# Altium PCB K60最小系统.PcbDoc (part 2 of 2) (continued)
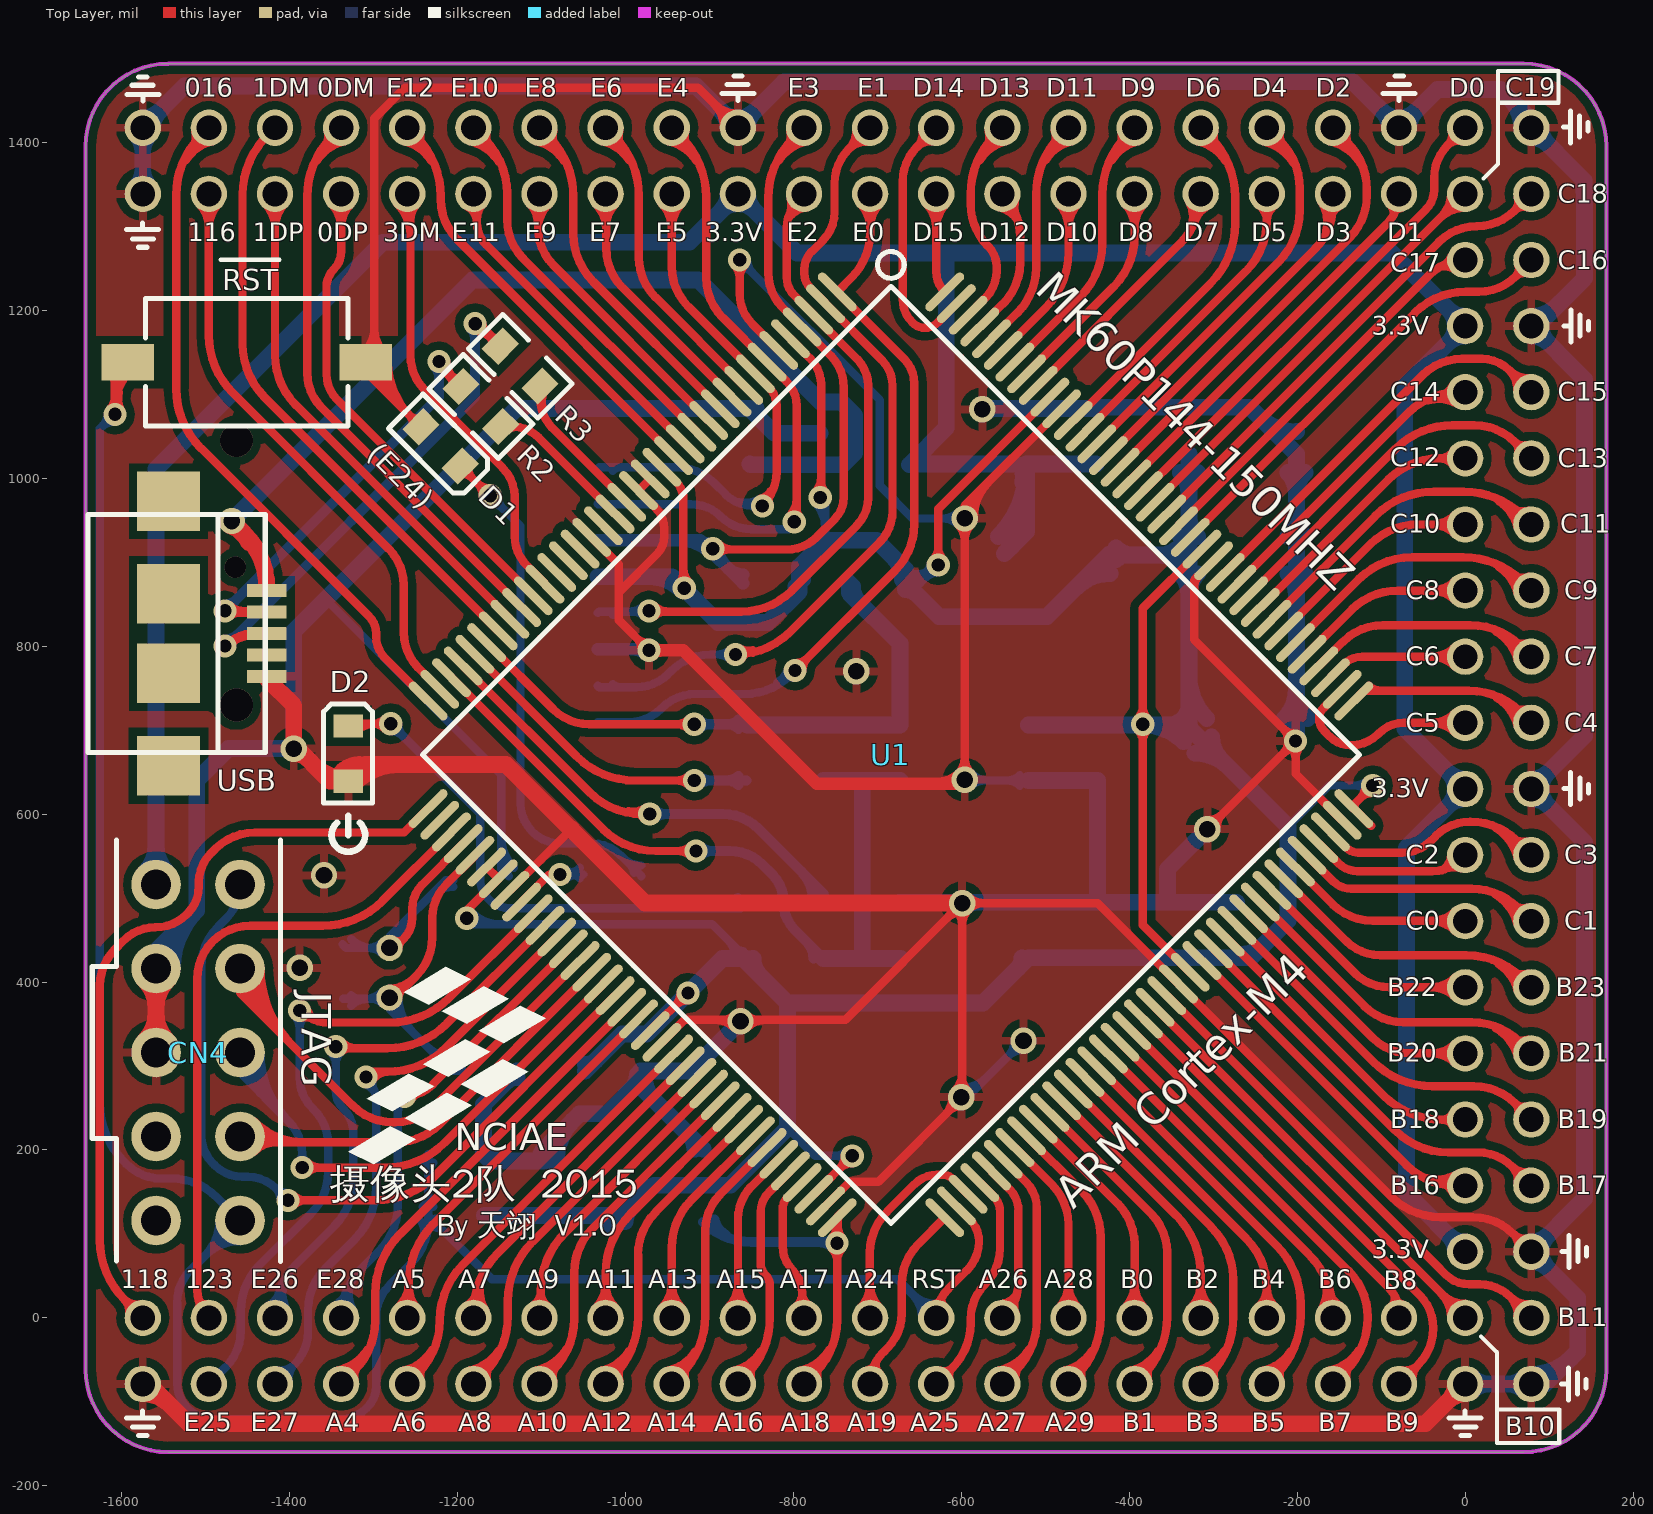
[diagram p0: Top Layer view]
## Nets (pads, with @x,y where several pads share a name; then routed paths per layer and width w, separated by ;. In a path a pad name is that pad's centre, name@x,y a point inside that pad or via, vN(x,y) a via of type N, cw(c..) or ccw(c..) an arc to the next point about the centre after c; other vN are vias at no path point) (continued)
  Top Layer w10: U1.142@-591.93,1193.95 -571.52,1214.37 ccw(c-604.15,1247) -558,1247 -558,1251.86 ccw(c-592.14,1251.86) -568,1276 cw(c-517.3,1326.7) -589,1326.7 -589,1338.08 cw(c-489,1338.08) -559.71,1408.79 CN2.27@-551.18,1417.32 ; -578.11,1378.61 cw(c-535.49,1352.63) CN2.27@-547.25,1401.14 ; -570.96,1390.33 ccw(c-597,1406.21) CN2.27@-567.36,1413.4 ; -565.54,1399.22 cw(c-543.54,1385.81) CN2.27@-549.61,1410.86
PTD14: CN2.25 U1.143 | length 358.6
  Top Layer w10: -658.09,1185.09 ccw(c-643.36,1199.85) -643.36,1179 ccw(c-643.36,1199.85) -628.63,1185.09 ; -658.12,1185.12 cw(c-629.4,1213.82) -670,1213.82 -670,1353 cw(c-611.47,1353) -652.87,1394.38 ; CN2.25@-646.35,1414.62 cw(c-669.31,1410.83) -652.86,1394.39 ; CN2.25@-632.63,1400.89 ccw(c-636.41,1377.94) -652.86,1394.39 ; CN2.25@-629.92,1417.32 -652.86,1394.38 ; -628.62,1185.11 U1.143@-605.85,1207.87
PTD15: CN2.26 U1.144 | length 182.7
  Top Layer w10: CN2.26@-641.7,1326.81 cw(c-670.13,1298.38) -629.92,1298.38 cw(c-589.72,1298.38) CN2.26@-618.15,1326.81 ; CN2.26@-629.92,1338.58 -629.92,1246.29 ccw(c-595.27,1246.29) U1.144@-619.77,1221.79
PTE0: "Micro SD.8" CN2.24 U1.1 | length 1054.4
  Top Layer w10: v1(-798,771) -678.63,890.37 ccw(c-733.25,945) -656,945 -656,1112.99 ccw(c-696.97,1112.99) -667.99,1141.95 ; v1@-798,779.78 ccw(c-798,800.98) -783.01,785.99 ccw(c-768.02,771) v1@-789.22,771 ; CN2.24@-720.44,1326.81 cw(c-748.87,1298.38) -708.66,1298.38 cw(c-668.46,1298.38) CN2.24@-696.89,1326.81 ; CN2.24@-708.66,1338.58 -708.66,1292.29 cw(c-784.29,1292.29) -730.79,1238.83 U1.1@-747.83,1221.79 -668,1141.96
  Bottom Layer w10: -1033,709.46 -996,709.46 ccw(c-996,763.7) -957.65,725.35 -956.77,726.23 cw(c-916.29,685.75) -916.29,743 -858,743 ccw(c-858,820.25) -803.37,765.63 v1(-798,771) ; -819.48,756.33 ccw(c-833.44,780.5) v1@-806.48,773.27 ; -811.26,761.07 cw(c-804.02,748.53) v1@-800.27,762.52
PTE1: "Micro SD.7" CN2.23 U1.2 | length 1093.4
  Top Layer w10: v1(-869,790) ccw(c-869,881.74) -804.13,816.87 -697,924 ; v1@-864.45,797.51 ccw(c-853.48,815.64) -848.42,795.06 ccw(c-843.36,774.48) v1@-861.49,785.45 ; -778.53,1269.47 ccw(c-758.03,1249) -787,1249 -787,1243.54 ccw(c-763.1,1243.54) -780,1226.64 -761.75,1208.39 U1.2@-761.75,1207.87 -694.88,1141 cw(c-725.97,1109.91) -682,1109.91 -682,960.21 cw(c-733.21,960.21) -696.99,924.01 ; -778.51,1269.49 -765,1283 ccw(c-798.8,1316.8) -751,1316.8 -751,1351 cw(c-693.1,1351) -734.04,1391.94 ; CN2.23@-725.26,1415.93 cw(c-755.5,1413.4) -734.04,1391.94 ; CN2.23@-710.05,1400.73 ccw(c-712.58,1370.48) -734.04,1391.94 ; CN2.23@-708.66,1417.32 -734.04,1391.94
  Bottom Layer w10: -1033,752.77 -1031.23,751 -987,751 ccw(c-987,804.11) -949.45,766.55 -945.5,770.5 cw(c-898.42,723.42) -898.42,790 v1(-869,790) ; -1015.22,754.8 ccw(c-1006.04,763.99) -1006.04,751 ; v1@-875.21,783.79 ccw(c-890.2,768.8) -890.2,790 ccw(c-890.2,811.2) v1@-875.21,796.21
PTE2: "Micro SD.5" CN2.22 U1.3 | length 918.6
  Top Layer w10: v1@-971,841 -862.36,841 ccw(c-862.36,926.36) -802.04,865.96 ccw(c-862.36,926.36) -802,866 -725,943 ccw(c-758.8,976.8) -711,976.8 -711,1110.03 ccw(c-756.21,1110.03) -724.24,1142 -775.67,1193.43 U1.3@-775.67,1193.95 -775.67,1194.48 -799.19,1218 ; v1@-965.79,835.79 cw(c-953.22,823.22) -953.22,841 ; v1@-965.79,848.21 ccw(c-948.39,865.61) -948.39,841 ; -807.07,1307.89 cw(c-782.25,1293.56) CN2.22@-785.51,1322.04 ; -806.93,1308.15 ccw(c-836.74,1325.36) CN2.22@-803.49,1334.27 ; -799.22,1218.02 cw(c-777.94,1239.26) -808,1239.26 -808,1298 cw(c-766.52,1298) -795.85,1327.33 CN2.22@-786,1337.18
  Bottom Layer w10: -1033,839.39 -1031.39,841 v1@-972,841 ; -1015.22,837.35 cw(c-1006.42,828.55) -1006.42,841 ; -995.61,841 ccw(c-995.61,865.61) v1@-978.21,848.21 ; -990.78,841 cw(c-990.78,823.22) v1@-978.21,835.79
  other v1: -972,842
PTE3: "Micro SD.3" CN2.21 R7.1 U1.4 | length 1080.7
  Top Layer w10: v1@-896,915 -808,915 ccw(c-808,965.7) -772.17,929.83 -750.61,951.39 ccw(c-776.21,977) -740,977 -740,1108.13 ccw(c-793.87,1108.13) -755.76,1146.21 ; v1@-889.79,909.79 cw(c-877.22,897.22) -877.22,915 ; v1@-889.79,922.21 ccw(c-872.39,939.61) -872.39,915 ; -817.73,1377.93 cw(c-772.96,1348.73) CN2.21@-783.97,1401.03 ; -813.03,1203.47 cw(c-771.96,1244.48) -830,1244.48 -830,1333.3 cw(c-730,1333.3) -800.71,1404.01 CN2.21@-787.4,1417.32 ; -813,1203.44 U1.4@-789.59,1180.03 -755.78,1146.22 ; -807.5,1393.6 ccw(c-830.09,1408.34) CN2.21@-803.7,1413.89 ; -804.54,1398.15 cw(c-780,1382.14) CN2.21@-786.03,1410.81
  Bottom Layer w15: -1033,926 -911,926 ; -935.3,926 cw(c-935.3,876.7) v1@-900.44,911.56 ; v1@-897.42,922.12 cw(c-900.71,936.29) -911,926 ; v1@-889.72,916 ccw(c-862.49,916) -881.74,896.74 ; -877.44,892.44 ccw(c-860,909.88) R7.1@-860,885.22 ; R7.1@-860,875 -911,926
  other v1: -896,916
PTE4: "Micro SD.2" CN2.17 U1.7 | length 888.7
  Top Layer w10: CN2.17@-948.49,1401.06 cw(c-959.84,1349.97) -915.69,1378.07 ; CN2.17@-946.32,1410.83 cw(c-952.44,1383.3) -928.65,1398.44 ; CN2.17@-944.88,1417.32 -933.29,1405.73 cw(c-1004,1335.02) -904,1335.02 -904,1239.11 ccw(c-835.97,1239.11) -884.08,1191.01 ; CN2.17@-928.62,1413.71 ccw(c-901.22,1407.62) -924.9,1392.55 ; -884.07,1191 U1.7@-831.35,1138.27 -807.97,1114.89 cw(c-836.86,1086) -796,1086 v1@-796,949 ; v1@-805.21,954.21 ccw(c-827.44,976.44) -796,976.44 ; -796,961.95 ccw(c-785.05,961.95) v1@-792.79,954.21
  Bottom Layer w10: -1033,969.31 -1032.69,969 -922.06,969 cw(c-922.06,918.16) -886.11,954.11 ccw(c-850.16,990.06) -850.16,939.22 -805.78,939.22 v1@-796,949
  other v1: -799,948
PTE5: "Micro SD.1" CN2.18 U1.8 | length 775.2
  Top Layer w10: CN2.18@-956.66,1326.81 cw(c-985.09,1298.38) -944.88,1298.38 cw(c-904.68,1298.38) CN2.18@-933.11,1326.81 ; CN2.18@-944.88,1338.58 -944.88,1252 ccw(c-877.21,1252) -925.06,1204.15 U1.8@-845.27,1124.35 -829.25,1108.34 cw(c-851.6,1086) -826.11,1104.67 cw(c-851.6,1086) -820,1086 -820,1008.04 cw(c-878.04,1008.04) v1(-837,967) ; v1@-839.28,975.48 ccw(c-844.79,995.98) -826.39,985.38 ; v1@-828.52,969.28 cw(c-808.08,974.77) -826.42,985.34
  Bottom Layer w10: -1033,1011 -1031,1013 -940,1013 cw(c-940,947.82) -893.93,993.93 ; -1015.22,1008.97 cw(c-1005.49,999.23) -1005.49,1013 ; -893.91,993.91 -880.45,980.45 ccw(c-847.97,1012.94) -847.97,967 v1(-837,967) ; -864.83,971.52 ccw(c-856.84,1001.36) v1@-841.39,974.6 ; -851.59,967.97 cw(c-854.56,956.86) v1@-844.6,962.61
PTE6: CN2.15 U1.9 | length 452.4
  Top Layer w10: CN2.15@-1027.36,1401.09 cw(c-1038.92,1350.99) -995.32,1378.25 ; CN2.15@-1025.12,1410.84 cw(c-1031.24,1384.26) -1008.12,1398.72 ; CN2.15@-1023.62,1417.32 -1013.29,1406.99 cw(c-1084,1336.28) -984,1336.28 -984,1263 ccw(c-917,1263) -964.38,1215.63 U1.9@-859.19,1110.44 ; CN2.15@-1007.39,1413.58 ccw(c-979.14,1407.07) -1003.72,1391.69
PTE7: CN2.16 U1.10 | length 363.8
  Top Layer w10: CN2.16@-1035.4,1326.81 cw(c-1065.33,1296.88) -1023,1296.88 ; -1023,1299.88 cw(c-984.92,1299.88) CN2.16@-1011.85,1326.81 ; CN2.16@-1023,1337.96 -1023,1274 ccw(c-956.39,1274) -1003.51,1226.92 ; -1003.49,1226.9 U1.10@-873.11,1096.52
PTE8: CN2.13 U1.11 | length 501.2
  Top Layer w10: CN2.13@-1106.03,1401.08 cw(c-1117.46,1350.38) -1073.53,1378.14 ; CN2.13@-1103.83,1410.83 cw(c-1109.95,1383.68) -1086.42,1398.55 ; CN2.13@-1102.36,1417.32 -1091.29,1406.25 cw(c-1162,1335.54) -1062,1335.54 -1062,1291 ccw(c-981.3,1291) -1038.36,1233.93 U1.11@-887.03,1082.6 ; CN2.13@-1086.12,1413.66 ccw(c-1058.37,1407.4) -1082.42,1392.21
PTE9: CN2.14 U1.12 | length 408.6
  Top Layer w10: CN2.14@-1114.14,1326.81 cw(c-1138.61,1302.33) -1104,1302.33 ; CN2.14@-1104,1336.94 -1104,1298 ; CN2.14@-1091.33,1326.11 ccw(c-1066.42,1297.97) -1104,1297.97 ; -1085.45,1253.18 cw(c-1040.58,1298) -1104,1298 ; -1085.43,1253.16 U1.12@-900.95,1068.68
PTE10: CN2.11 U1.13 | length 553
  Top Layer w10: CN2.11@-1184.85,1401.09 cw(c-1197.08,1348.06) -1150.93,1376.91 ; CN2.11@-1182.6,1410.84 cw(c-1189.41,1381.33) -1163.72,1397.38 ; CN2.11@-1181.1,1417.32 -1168.03,1404.25 cw(c-1233.27,1339) -1141,1339 -1141,1308 ccw(c-1075.56,1308) -1121.83,1261.73 U1.13@-914.86,1054.76 ; CN2.11@-1164.87,1413.58 ccw(c-1139.56,1407.74) -1161.59,1393.97
PTE11: CN2.12 U1.14 | length 444
  Top Layer w10: CN2.12@-1188.65,1323.74 cw(c-1198.3,1304.75) -1177,1304.75 ; CN2.12@-1181.1,1338.58 cw(c-1191,1328.68) -1177,1328.68 -1177,1305 ccw(c-1138.5,1305) -1165.74,1277.8 ; -1177,1308.28 cw(c-1150.8,1308.28) CN2.12@-1169.33,1326.81 ; -1165.72,1277.78 U1.14@-928.78,1040.84
PTE12: CN2.9 U1.15 | length 599.3
  Top Layer w10: CN2.9@-1263.56,1401.09 cw(c-1275.08,1350.81) -1231.38,1378.22 ; CN2.9@-1261.33,1410.84 cw(c-1267.46,1384.09) -1244.21,1398.67 ; CN2.9@-1259.84,1417.32 -1249.29,1406.77 cw(c-1320,1336.06) -1220,1336.06 -1220,1332 ccw(c-1152.92,1332) -1200.38,1284.6 ; CN2.9@-1243.61,1413.6 ccw(c-1215.51,1407.17) -1239.93,1391.85 ; -1200.35,1284.57 U1.15@-942.7,1026.92
PTE24: R4.2 U1.45 | length 184.1
  Top Layer w10: U1.45@-1123.66,495.2 -1090.85,528 v1(-1078,528)
  Bottom Layer w10: v1(-1078,528) R4.2@-1050,528 ; v1@-1073.87,528 ccw(c-1073.87,555.81) R4.2@-1054.21,536.15 ; v1@-1071.79,521.79 cw(c-1056.8,506.8) -1056.8,528 cw(c-1056.8,549.2) v1@-1071.79,534.21 ; v1@-1071.62,534.04 ccw(c-1064.35,540.92) -1061.76,531.25 ccw(c-1058.44,518.89) v1@-1070.04,524.29 ; v1@-1070.02,524.34 cw(c-1064.61,521.86) -1063.07,527.61 ; v1@-1064.52,528 cw(c-1064.52,513.42) R4.2@-1054.21,523.73
PTE25: CN3.4 U1.46 | length 901.9
  Top Layer w10: v1(-1388,366) ccw(c-1353.54,400.46) -1353.54,351.72 -1280.71,351.72 ccw(c-1280.71,451.72) -1210,381.01 U1.46@-1109.74,481.28 ; v1@-1385.73,357.52 cw(c-1380.24,337.05) -1369.64,355.4 cw(c-1359.05,373.76) v1@-1379.52,368.27
  Bottom Layer w10: CN3.4@-1496.06,-78.74 -1476.16,-58.84 ccw(c-1519.99,-15) -1458,-15 -1458,7.78 cw(c-1378.5,7.78) -1434.71,64 -1374.71,124.01 ccw(c-1424.7,174) -1354,174 -1354,206.96 ccw(c-1412.04,206.96) -1370.97,247.97 ; v1@-1394.21,359.79 cw(c-1409.2,344.8) -1388,344.8 cw(c-1366.8,344.8) v1@-1381.79,359.79 ; v1(-1388,366) -1388,286 ccw(c-1337.3,286) -1373.17,250.17 ; -1373.15,250.15 -1371,248
PTE26: CN3.5 U1.47 | length 795.3
  Top Layer w10: v1@-1345,321 -1283.6,321 ccw(c-1283.6,421) -1212.89,350.29 U1.47@-1095.82,467.36 ; v1@-1338.79,316.79 cw(c-1328.63,306.63) -1328.63,321 ; v1@-1338.79,329.21 ccw(c-1318.98,349.02) -1318.98,321
  Bottom Layer w10: CN3.5@-1425.65,14.42 ccw(c-1445.11,48.13) -1407.51,38.06 ; CN3.5@-1417.32,0 -1417.32,1.45 cw(c-1327.45,1.45) -1391,65 -1346.63,109.37 ccw(c-1401.25,164) -1324,164 -1324,220.03 ccw(c-1364.97,220.03) -1336,249 ; -1407.04,39.81 ccw(c-1366.97,29.07) CN3.5@-1402.9,8.33 ; v1@-1351.21,316.79 cw(c-1366.2,301.8) -1345,301.8 cw(c-1323.8,301.8) v1@-1338.79,316.79 ; v1(-1345,323) -1345,270.73 ccw(c-1314.27,270.73) -1336.02,249.02
PTE27: CN3.6 U1.48 | length 799.4
  Top Layer w10: v1(-1309,287) -1303,293 -1283.76,293 ; v1@-1301.34,282.7 cw(c-1283.76,272.84) -1283.76,293 ; U1.48@-1081.9,453.44 -1213.05,322.29 cw(c-1283.76,393) -1283.76,293
  Bottom Layer w10: CN3.6@-1417.32,-78.74 -1394.56,-55.98 ; CN3.6@-1414.51,-62.33 ccw(c-1410.67,-39.87) -1394.56,-55.98 ; CN3.6@-1400.91,-75.93 cw(c-1378.45,-72.09) -1394.56,-55.98 ; v1@-1311.27,278.52 cw(c-1316.76,258.05) -1298.4,268.64 cw(c-1280.05,279.24) v1@-1300.52,284.73 ; v1(-1309,287) cw(c-1337.97,258.03) -1297,258.03 -1297,155.77 cw(c-1385.77,155.77) -1323,93 -1357.49,58.51 ccw(c-1307.99,9) -1378,9 -1378,-16 cw(c-1434.54,-16) -1394.54,-55.96
PTE28: CN3.7 U1.49 | length 649.3
  Top Layer w10: v1(-1263,264) ccw(c-1263,311.08) -1229.71,277.79 U1.49@-1067.98,439.52 ; v1@-1258.61,271.6 ccw(c-1248.01,289.96) -1242.53,269.49 ccw(c-1237.04,249.01) v1@-1255.4,259.61
  Bottom Layer w10: CN3.7@-1346.91,14.42 ccw(c-1367.01,49.24) -1328.18,38.84 ccw(c-1289.34,28.43) CN3.7@-1324.16,8.33 ; CN3.7@-1338.58,0 cw(c-1255.49,0) -1314.26,58.74 -1294,79 ; -1293.98,79.02 ccw(c-1349.53,134.53) -1271,134.53 -1271,244.69 cw(c-1243.69,244.69) v1(-1263,264)
RESET: C1.1 CN3.25 CN4.10 R1.1 RST.2 U1.74 | length 3310
  Top Layer w10: RST.2@-1614.35,1126.22 cw(c-1629.68,1110.89) -1608,1110.89 ; v1@-1614.21,1082.21 ccw(c-1629.2,1097.2) -1608,1097.2 ccw(c-1586.8,1097.2) v1@-1601.79,1082.21 ; v1@-1612.39,1083.6 ccw(c-1619.14,1095.3) -1606.1,1091.81 ; v1(-1608,1076) -1608,1124.73 RST.2@-1594.73,1138 ; v1@-1608,1084.7 cw(c-1549.27,1084.7) RST.2@-1590.8,1126.22 ; -1608,1108.84 cw(c-1573.41,1108.84) RST.2@-1597.87,1133.3 ; -1603.28,1102.31 ccw(c-1575.39,1094.83) v1@-1600.4,1080.39 ; CN3.25@-632.2,16.5 ccw(c-633.64,26.97) -623.43,24.24 ccw(c-613.21,21.5) CN3.25@-619.7,13.15 ; CN3.25@-629.92,0 cw(c-581.45,0) -615.72,34.28 -593.14,56.86 ; U1.74@-605.85,133.29 -589.92,117.35 cw(c-616.27,91) -579,91 cw(c-627.28,91) -593.12,56.88
  Bottom Layer w10: -1624.69,1060.31 cw(c-1608,1043.61) v1@-1608,1067.22 ; -1622.28,1062.72 ccw(c-1635.56,1076) v1@-1616.78,1076 ; v1@-1609,1076 -1625.9,1059.1 -1625.9,255.78 ccw(c-1527.22,255.78) -1597,186 -1593.97,182.97 ccw(c-1553,223.94) -1553,166 -1541,166 cw(c-1541,88.75) -1486.37,143.37 CN4.10@-1459,116 -1517.74,57.26 ccw(c-1478.47,18) -1534,18 -1534,-77.32 ccw(c-1491.32,-77.32) -1521.5,-107.5 ccw(c-1488.91,-74.91) -1488.91,-121 -1341,-121 ccw(c-1341,-75.13) -1308.59,-107.59 ; CN4.10@-1483.53,116 cw(c-1542.74,116) -1500.87,74.13 cw(c-1459,32.26) CN4.10@-1459,91.47 ; CN4.10@-1473.53,116 cw(c-1508.6,116) -1483.8,91.2 cw(c-1459,66.4) CN4.10@-1459,101.47 ; -1308.56,-107.57 -1307,-106 ; -1306.98,-105.98 ccw(c-1331.14,-81.86) -1297,-81.86 -1297,0.37 cw(c-1242.37,0.37) -1281.02,38.98 -1256,64 ccw(c-1306.7,114.7) -1235,114.7 R1.1@-1235,122 -1159,46 -675.92,46 CN3.25@-629.92,0 ; R1.1@-1242.6,113.67 cw(c-1263.53,101.59) -1240.19,95.33 ; R1.1@-1241.21,132.15 ccw(c-1256.22,147.16) -1234.99,147.16 ; C1.1@-1241.2,184.85 cw(c-1256.18,169.87) -1234.99,169.87 cw(c-1213.79,169.87) C1.1@-1228.78,184.85 ; -1239.1,99.39 cw(c-1221.5,94.68) R1.1@-1230.61,110.46 ; R1.1@-1235,109.28 cw(c-1235,78.58) -1213.29,100.29 ; R1.1@-1235,122 C1.1@-1234.99,195 ; -1234.99,147.11 ccw(c-1213.83,147.11) R1.1@-1228.79,132.15 ; R1.1@-1226.22,118.06 ccw(c-1214.53,118.06) R1.1@-1222.8,109.8 ; CN3.25@-646.57,0 ccw(c-686.78,0) -658.35,28.43 ccw(c-629.92,56.86) CN3.25@-629.92,16.65
USB_DM: R2.2 U1.20 | length 190.5
  Top Layer w10: R2.2@-1149.62,1060.62 R2.2@-1148.62,1060.62 ; R2.2@-1148.62,1061.62 -1135.87,1061.62 cw(c-1135.87,1015.11) -1126.28,1060.62 cw(c-1135.87,1015.11) -1102.98,1048 U1.20@-1012.3,957.32 ; R2.2@-1140.31,1057.59 cw(c-1130.69,1045.73) -1129.1,1060.92
USB_DP: R3.2 U1.19 | length 212.3
  Top Layer w10: R3.2@-1108.8,1099.24 cw(c-1118.83,1081.86) -1099.45,1087.06 ; R3.2@-1101.62,1109.62 -1101.62,1095.16 ccw(c-1051.69,1095.16) -1087,1059.86 U1.19@-998.38,971.24 ; -1099.04,1085.5 cw(c-1077.47,1091.28) R3.2@-1096.8,1102.45
VDDA: C15.2 C16.2 L1.2 R8.1 U1.31 | length 838.3
  Top Layer w10: U1.31@-1165.41,804.21 -1086,724.79 ccw(c-1043.04,767.75) -1043.04,707 v1(-918,707) ; v1@-924.21,700.79 ccw(c-939.2,685.8) -939.2,707 ccw(c-939.2,728.2) v1@-924.21,713.21
  Bottom Layer w12: v1(-918,707) R8.1@-855.99,707 ; v1@-912.5,701.5 cw(c-899.23,688.23) -899.23,707 ; v1@-912.5,712.5 ccw(c-899.21,725.79) -899.21,707 ; R8.1@-865.43,701.49 ccw(c-878.71,688.21) -878.71,707 ccw(c-878.71,725.78) R8.1@-865.43,712.5
  Bottom Layer w20: R8.1@-855.99,707 -855,706 C16.2@-764.5,706 C15.2@-673,706 -673,803 -733.49,863.49 L1.2@-733.49,874.99 ; L1.2@-729.71,871.05 ccw(c-702.34,871.05) -721.7,851.7
VREFH: R8.2 U1.32 | length 474
  Top Layer w10: U1.32@-1179.33,790.29 -1179.33,789.84 -1058,668.51 ccw(c-989.16,737.35) -989.16,640 v1(-918,640) ; v1@-924.2,633.79 ccw(c-939.19,618.8) -939.19,640 ccw(c-939.19,661.19) v1@-924.2,646.2
  Bottom Layer w12: v1(-918,640) R8.2@-855.99,640 ; v1@-912.49,634.49 cw(c-899.21,621.21) -899.21,640 cw(c-899.21,658.78) v1@-912.49,645.5 ; R8.2@-865.43,634.49 ccw(c-878.71,621.21) -878.71,640 ccw(c-878.71,658.78) R8.2@-865.43,645.5
VREFL: R9.2 U1.33 | length 668.7
  Top Layer w10: U1.33@-1193.25,776.37 -1042.88,626 ccw(c-980.11,688.77) -980.11,600 v1(-971,600) ; -996.35,603.23 ccw(c-991.02,629.98) v1@-975.88,607.3 ; -987.92,601.55 cw(c-990.87,586.73) v1@-978.3,595.12
  Bottom Layer w12: v1(-971,600) -884,600 cw(c-884,539.64) -841.32,582.32 -764.32,505.32 R9.2@-764.32,495 ; v1@-965.5,594.5 cw(c-952.22,581.22) -952.22,600 cw(c-952.22,618.78) v1@-965.5,605.5 ; -791.62,532.62 cw(c-829.23,495) R9.2@-776.04,495 ; -771.13,512.13 cw(c-788.26,495) R9.2@-764.04,495
pads on no net: "Micro SD.0" "Micro SD.9" CN4.7 CN4.9 U1.21 U1.23 U1.24 U1.25 U1.38 U2.4 USB.0 USB.4 Y1.0 Y2.1
copper on no net:
  other v3: -1464.59,736.26 -1464.59,893.74
  other v4: -1463.39,730.12 -1463.39,1045.08

## Polygon pours and split planes (outlines as drawn)
GND on Bottom Layer "VCC-No Net" (solid, pour order 8): -1643,1500 -1642.9,1500 -1642.9,1375.57 -1642.9,-159.86 -1524.79,-159.86 165,-159.86 165,-50 165,1493.68 44,1493.68 -1645,1493.68 -1645,1500
GND on Top Layer "VCC-No Net" (solid, pour order 10): -1642,1496 -1642,1375.57 -1642.9,1375.57 -1642.9,-41.75 -1642.9,-159.86 -1524.79,-159.86 168.12,-159.86 168.12,-41.75 168.12,1493.68 50.01,1493.68 -1645,1493.68 -1645,1495

## Keep-outs
Keep-Out Layer:
  lines w5: -1544.48,1493.63 ccw(c-1544.48,1395.2) -1642.9,1395.2 -1642.9,-61.45 ccw(c-1544.48,-61.45) -1544.48,-159.88 69.75,-159.86 ccw(c69.75,-61.44) 168.17,-61.44 ; -1544.48,1493.68 69.7,1493.68 cw(c69.7,1395.27) 168.12,1395.27 168.12,-61.44

## Other copper
Bottom Layer:
  pour cut-out: -870,233 -870,75.8 -1048,76 -1048,233

## Silkscreen, mask and mechanical layers (free items; w line width, h text height)
Top Overlay:
  region: -1214,418 -1184,403 -1234,373 -1264,388
  region: -1169,395 -1139,380 -1189,350 -1219,365
  region: -1125,372 -1095,357 -1145,327 -1175,342
  region: -1191,332 -1161,317 -1211,287 -1241,302
  region: -1146,308 -1116,293 -1166,263 -1196,278
  region: -1258,291 -1228,276 -1278,246 -1308,261
  region: -1213,268 -1183,253 -1233,223 -1263,238
  region: -1280,228 -1250,213 -1300,183 -1330,198
  lines w5: -1482,1260 -1412,1260 ; 19,-22 38,-41 38,-110 ; 22,1357 39,1374 39,1379 39,1447 ; 39,1447 39,1485 111,1485 111,1447 39,1447 ; 38,-149 112,-149 112,-109 38,-109 38,-149
  lines w6: -1635,213.5 -1606,213.5 -1606,189.5 ; -1635,418.5 -1606,418.5 -1606,442.5 ; -1594,-119 -1556,-119 ; -1594,1296 -1556,1296 ; -1593.6,1456.9 -1555.6,1456.9 ; -1587.6,1467.9 -1562.6,1467.9 ; -1587,-130 -1562,-130 ; -1587,1285 -1562,1285 ; -1580,-140 -1570,-140 ; -1580,1275 -1570,1275 ; -1579.6,1477.9 -1569.6,1477.9 ; -1575,-119 -1575,-111 ; -1575,1296 -1575,1304 ; -1574.6,1448.9 -1574.6,1456.9 ; -884.94,1457.9 -846.94,1457.9 ; -878.94,1468.9 -853.94,1468.9 ; -870.94,1478.9 -860.94,1478.9 ; -865.94,1449.9 -865.94,1457.9 ; -97.54,1457.9 -59.54,1457.9 ; -91.54,1468.9 -66.54,1468.9 ; -83.54,1478.9 -73.54,1478.9 ; -78.54,1449.9 -78.54,1457.9 ; -19,-119 19,-119 ; -12,-130 13,-130 ; -5,-140 5,-140 ; 0,-119 0,-111 ; 115,-78.48 123,-78.48 ; 115.48,79 123.48,79 ; 117.32,1418.26 125.32,1418.26 ; 117.66,630.18 125.66,630.18 ; 117.84,1181.36 125.84,1181.36 ; 123,-97.48 123,-59.48 ; 123.48,60 123.48,98 ; 125.32,1399.26 125.32,1437.26 ; 125.66,611.18 125.66,649.18 ; 125.84,1162.36 125.84,1200.36 ; 134,-90.48 134,-65.48 ; 134.48,67 134.48,92 ; 136.32,1406.26 136.32,1431.26 ; 136.66,618.18 136.66,643.18 ; 136.84,1169.36 136.84,1194.36 ; 144,-83.48 144,-73.48 ; 144.48,74 144.48,84 ; 146.32,1413.26 146.32,1423.26 ; 146.66,625.18 146.66,635.18 ; 146.84,1176.36 146.84,1186.36
  lines w8: -1343.65,589.62 ccw(c-1330,575) -1316.35,589.62 ; -1330,575 -1330,598
  text "C19" at 48,1455 h22
  text "016" at -1525,1454 h22
  text "1DM" at -1444,1454 h22
  text "0DM" at -1367,1454 h22
  text "E12" at -1285,1454 h22
  text "E10" at -1208,1454 h22
  text "E8" at -1120,1454 h22
  text "E6" at -1042,1454 h22
  text "E4" at -963,1454 h22
  text "E3" at -807,1454 h22
  text "E1" at -724,1454 h22
  text "D14" at -658,1454 h22
  text "D13" at -579,1454 h22
  text "D11" at -499,1454 h22
  text "D9" at -411,1454 h22
  text "D6" at -333,1454 h22
  text "D4" at -254,1454 h22
  text "D2" at -178,1454 h22
  text "D0" at -19,1454 h22
  text "C18" at 110,1328 h22
  text "116" at -1521.33,1282 h22
  text "1DP" at -1444,1282 h22
  text "0DP" at -1367,1282 h22
  text "3DM" at -1288.67,1282 h22
  text "E11" at -1207,1282 h22
  text "E9" at -1120,1282 h22
  text "E7" at -1043,1282 h22
  text "E5" at -964,1282 h22
  text "3.3V" at -905,1282 h22
  text "E2" at -808,1282 h22
  text "E0" at -730,1282 h22
  text "D15" at -658,1282 h22
  text "D12" at -579,1282 h22
  text "D10" at -499,1282 h22
  text "D8" at -413,1282 h22
  text "D7" at -335,1282 h22
  text "D5" at -255,1282 h22
  text "D3" at -178,1282 h22
  text "D1" at -93,1282 h22
  text "C16" at 110,1249 h22
  text "C17" at -89.01,1246 h22
  text "MK60P144-150MHZ" at -523,1214 h65 r315
  text "3.3V" at -111,1171 h22
  text "C14" at -89.01,1092 h22
  text "C15" at 110,1092 h22
  text "(E24)" at -1309,1027 h25 r315
  text "C12" at -89.01,1014 h22
  text "C13" at 110,1013 h22
  text "C10" at -89.01,935 h22
  text "C11" at 113,935 h22
  text "C8" at -70.68,856 h22
  text "C9" at 118,856 h22
  text "C6" at -70.68,777 h22
  text "C7" at 118,777 h22
  text "C5" at -70.68,698 h22
  text "C4" at 118,698 h22
  text "3.3V" at -111,620 h22
  text "C2" at -70.68,541 h22
  text "C3" at 118,541 h22
  text "C0" at -70.68,462 h22
  text "C1" at 118,462 h22
  text "B22" at -92.67,383 h22
  text "B23" at 108,383 h22
  text "B20" at -92.67,305 h22
  text "B21" at 111,305 h22
  text "B18" at -89.01,226 h22
  text "B19" at 110,226 h22
  text "NCIAE" at -1203,189 h55.12
  text "B16" at -89.01,147 h22
  text "B17" at 110,147 h22
  text "摄像头2队  2015" at -1352,131 h60
  text "ARM Cortex-M4" at -458,119 h65 r45
  text "By 天翊  V1.0" at -1225,89 h45
  text "3.3V" at -111,71 h22
  text "118" at -1601,35 h22
  text "123" at -1524,35 h22
  text "E26" at -1446,35 h22
  text "E28" at -1368,35 h22
  text "A5" at -1278,35 h22
  text "A7" at -1199,35 h22
  text "A9" at -1119,35 h22
  text "A11" at -1047,35 h22
  text "A13" at -973,35 h22
  text "A15" at -892,35 h22
  text "A17" at -816,35 h22
  text "A24" at -738,35 h22
  text "RST" at -659,35 h22
  text "A26" at -579,35 h22
  text "A28" at -501,35 h22
  text "B0" at -411,35 h22
  text "B2" at -333,35 h22
  text "B4" at -254,35 h22
  text "B6" at -175,35 h22
  text "B8" at -97,34 h22
  text "B11" at 110,-10 h22
  text "E25" at -1526,-135 h22
  text "E27" at -1446,-135 h22
  text "A4" at -1357,-135 h22
  text "A6" at -1277,-135 h22
  text "A8" at -1199,-135 h22
  text "A10" at -1128,-135 h22
  text "A12" at -1051,-135 h22
  text "A14" at -974,-135 h22
  text "A16" at -894,-135 h22
  text "A18" at -815,-135 h22
  text "A19" at -736,-135 h22
  text "A25" at -661,-135 h22
  text "A27" at -581,-135 h22
  text "A29" at -500,-135 h22
  text "B1" at -408,-135 h22
  text "B3" at -333,-135 h22
  text "B5" at -254,-135 h22
  text "B7" at -175,-135 h22
  text "B9" at -95,-135 h22
  text "B10" at 48,-140 h22
Bottom Solder:
  text "NCIAE 摄像头2队" at -104,1189 h65
  text "2015  By 天翊" at -104,1124 h50
Mechanical 16:
  drawing of 1874 lines, arcs and shapes, not listed
  text "1" at -5332.8,4210.58 h30
  text "2" at -2472.8,4210.58 h30
  text "3" at 407.2,4210.58 h30
  text "4" at 3277.2,4210.58 h30
  text "A" at -6684.8,3304.58 h30
  text "A" at 4615.2,3304.58 h30
  text "B" at -6684.8,1412.58 h30
  text "B" at 4615.2,1412.58 h30
  text "C" at -6684.8,-497.42 h30
  text "C" at 4615.2,-497.42 h30
  text "ENGINEER:" at 90.2,-1954.42 h30
  text "TITLE:" at 1590.2,-1954.42 h30
  text "PCB DESIGNER:" at 90.2,-2249.42 h30
  text "D" at -6684.8,-2387.42 h30
  text "D" at 4615.2,-2387.42 h30
  text "DATE:" at 90.2,-2554.42 h30
  text "PART NO.:" at 1590.2,-2554.42 h30
  text "REV:" at 3690.2,-2554.42 h30
  text "Altium Limited" at -1209.8,-2654.42 h30
  text ".PRINT_DATE" at 140.2,-2674.42 h30
  text "12a Rodborough Rd" at -1209.8,-2754.42 h30
  text "Frenchs Forest" at -1209.8,-2854.42 h30
  text "FILE NAME:" at 90.2,-2854.42 h30
  text "DWG NO:" at 1590.2,-2854.42 h30
  text "SCALE:" at 3690.2,-2854.42 h30
  text "NSW 2086" at -1209.8,-2954.42 h30
  text ".PCB_FILE_NAME_NO_PATH" at 140.2,-2974.42 h30
  text "1" at -5332.8,-3189.42 h30
  text "2" at -2472.8,-3189.42 h30
  text "3" at 407.2,-3189.42 h30
  text "4" at 3277.2,-3189.42 h30

## Dimensions
69.75,-159.86 to 69.7,1493.68 on Top Overlay
-1642.9,-61.45 to 168.12,-61.44 on Top Overlay